# Altium PCB waffling60-MXHS-ANSI.PcbDoc (part 2 of 3)
Units mm, origin at the board's own origin, x right, y up, seen from the top; angles counter-clockwise.
Board outline 284.73 x 94.2 mm, 2 copper layers (Component Side, Bottom Layer), stack 1.571 mm thick; 191 components, 129 nets, 1572 pads, 212 vias.
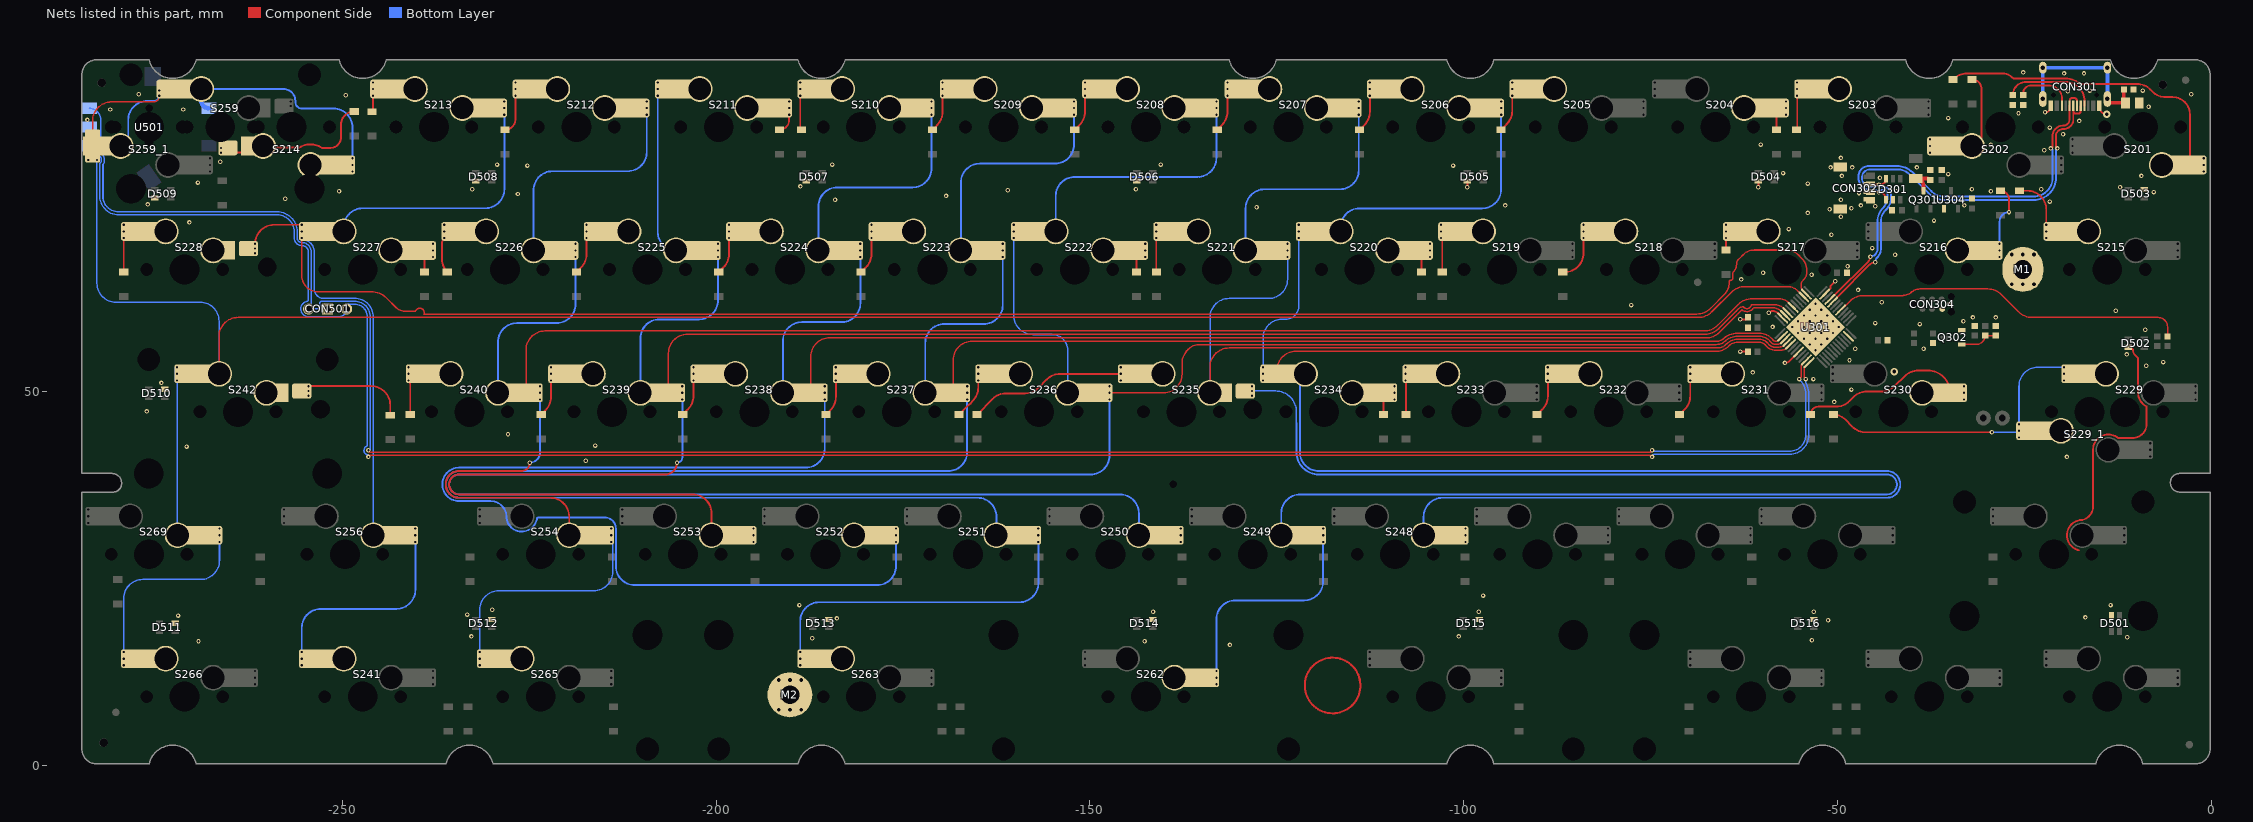
[diagram p2: the nets of this part, all layers, seen from the top]

## Via types
v1: diameter 0.6, hole 0.3, Component Side to Bottom Layer, tented both sides, 182 vias
v2: diameter 0.6, hole 0.3, Component Side to Bottom Layer, tented bottom, 25 vias
v3: diameter 1, hole 0.5, Component Side to Bottom Layer, tented both sides, 5 vias

## Nets (pads, with @x,y where several pads share a name; then routed paths per layer and width w, separated by ;. In a path a pad name is that pad's centre, name@x,y a point inside that pad or via, vN(x,y) a via of type N, cw(c..) or ccw(c..) an arc to the next point about the centre after c; other vN are vias at no path point) (continued)
col6: S206.2 S220.2 S234.2 S248.2 U301.5 | length 296.7
  Component Side w0.203: S234.2@-124.977,52.395 -124.977,52.865 cw(c-122.437,52.865) -122.437,55.405 -74.443,55.405 -74.428,55.391 -66.311,55.391 ccw(c-66.311,57.931) -64.939,55.794 ccw(c-66.311,57.931) -64.938,55.794 ccw(c-66.311,57.931) -64.515,56.135 cw(c-63.366,54.985) -63.541,56.601 cw(c-63.366,54.985) -63.366,56.611 -60.448,56.611 cw(c-60.448,55.505) -59.667,56.287 cw(c-59.951,56.002) -59.624,56.237 cw(c-59.951,56.002) -59.623,56.236 ccw(c-58.271,57.201) -59.185,55.814 ; -59.289,55.888 ccw(c-58.271,57.201) -58.243,55.54 ; -58.241,55.54 cw(c-58.236,55.136) -58.234,55.54 -57.669,55.54 ccw(c-57.669,56.907) -56.703,55.94 U301.5@-56.45,56.193
  Component Side w0.254: S220.2@-120.215,70.812 S220.2@-120.215,71.445
  Bottom Layer w0.203: S234.2@-126.837,53.284 -126.837,57.15 cw(c-124.297,57.15) -124.297,59.69 -123.825,59.69 ccw(c-123.825,61.44) -122.075,61.44 S220.2@-122.075,70.556
  Bottom Layer w0.254: S234.2@-121.227,52.395 ccw(c-121.227,51.702) -121.92,51.702 -121.92,41.933 ccw(c-119.38,41.933) -119.38,39.393 -43.379,39.393 cw(c-43.379,37.607) -43.379,35.821 -102.812,35.821 ccw(c-102.812,33.281) -105.352,33.281 S248.2@-105.352,30.805 ; S220.2@-116.465,71.445 -116.465,71.998 cw(c-113.925,71.998) -113.925,74.538 -97.52,74.538 ccw(c-97.52,77.078) -94.98,77.078 S206.2@-94.98,87.066
  Bottom Layer w0.6: S234.2@-126.837,51.506 S234.2@-126.837,52.395 S234.2@-126.837,53.284 ; S220.2@-122.075,70.556 S220.2@-122.075,71.445 S220.2@-122.075,72.334 ; S248.2@-99.742,29.916 S248.2@-99.742,30.805 S248.2@-99.742,31.694 ; S206.2@-94.98,87.066 S206.2@-94.98,87.955 S206.2@-94.98,88.844
col7: S207.2 S221.2 S235.2 S249.2 S262.1 U301.4 | length 362.1
  Component Side w0.203: S235.2@-133.927,49.855 -133.927,53.319 cw(c-131.387,53.319) -131.387,55.859 -66.154,55.859 ccw(c-66.154,57.775) -64.8,56.42 ; -64.798,56.422 cw(c-63.366,54.985) -63.366,57.014 -60.448,57.014 cw(c-60.448,55.505) -59.382,56.573 cw(c-59.951,56.002) -59.298,56.474 cw(c-59.624,56.237) -59.296,56.472 ccw(c-58.271,57.201) -58.247,55.943 cw(c-58.241,55.54) -58.245,55.943 cw(c-58.236,55.136) -58.234,55.943 -57.952,55.943 ccw(c-57.952,57.257) -57.022,56.328 U301.4@-56.803,56.546 ; -58.963,56.15 ccw(c-58.271,57.201) -58.25,55.943
  Bottom Layer w0.203: S235.2@-133.927,49.855 -133.927,59.944 cw(c-131.387,59.944) -131.387,62.484 -126.095,62.484 ccw(c-126.095,65.024) -123.555,65.024 S221.2@-123.555,68.016 ; S235.2@-128.317,50.11 -125.169,50.11 cw(c-125.169,47.315) -122.374,47.315 -122.374,45.847
  Bottom Layer w0.254: S262.1@-133.079,12.644 -133.079,19.558 cw(c-130.539,19.558) -130.539,22.098 -121.332,22.098 ccw(c-121.332,24.638) -118.792,24.638 S249.2@-118.792,29.916 ; S221.2@-129.165,68.905 -129.165,74.549 cw(c-126.625,74.549) -126.625,77.089 -116.57,77.089 ccw(c-116.57,79.629) -114.03,79.629 S207.2@-114.03,87.066 ; S249.2@-124.402,30.805 -124.402,33.735 cw(c-121.862,33.735) -121.862,36.275 -43.379,36.275 ccw(c-43.379,37.607) -43.379,38.939 -119.38,38.939 cw(c-119.38,41.933) -122.374,41.933 -122.374,45.847
  Bottom Layer w0.6: S262.1@-133.079,10.866 S262.1@-133.079,11.755 S262.1@-133.079,12.644 ; S235.2@-128.317,49.465 S235.2@-128.317,50.11 S235.2@-128.317,50.744 ; S221.2@-123.555,68.016 S221.2@-123.555,68.905 S221.2@-123.555,69.794 ; S249.2@-118.792,29.916 S249.2@-118.792,30.805 S249.2@-118.792,31.694 ; S207.2@-114.03,87.066 S207.2@-114.03,87.955 S207.2@-114.03,88.844
col8: S208.2 S222.2 S236.2 S250.2 U301.3 | length 363.2
  Component Side w0.203: S236.2@-149.227,49.855 -140.098,49.855 ccw(c-140.098,52.214) -138.43,50.546 -138.412,50.564 ccw(c-140.208,52.36) -137.668,52.36 -137.668,53.773 cw(c-135.053,53.773) -135.673,56.313 -66.188,56.313 ccw(c-66.188,58.05) -65.065,56.725 cw(c-63.366,54.985) -65.042,56.748 ccw(c-65.318,57.041) -65.04,56.75 cw(c-63.366,54.985) -64.976,56.808 ; -64.975,56.808 cw(c-63.366,54.985) -64.96,56.822 -64.942,56.84 ccw(c-65.17,57.173) -64.914,56.861 ; -64.887,56.883 ccw(c-63.366,54.985) -64.914,56.861 ; U301.3@-57.157,56.9 -57.441,56.616 cw(c-58.092,57.267) -57.774,56.403 cw(c-58.092,57.267) -58.092,56.346 -58.233,56.346 ccw(c-58.236,55.136) -58.249,56.346 ccw(c-58.241,55.54) -58.251,56.346 ccw(c-58.247,55.943) -58.254,56.346 cw(c-58.271,57.201) -58.968,56.706 ccw(c-59.296,56.472) -58.969,56.708 ccw(c-59.624,56.237) -58.972,56.711 ccw(c-59.951,56.002) -59.097,56.858 ccw(c-60.448,55.505) -60.448,57.417 -63.366,57.417 ccw(c-63.366,54.985) -64.914,56.861
  Component Side w0.254: S222.2@-159.004,72.134 ccw(c-158.315,72.134) S222.2@-158.315,71.445 ; S250.2@-140.607,31.71 S250.2@-139.827,30.93 ; S250.2@-139.827,30.93 ccw(c-139.702,30.93) S250.2@-139.702,30.805 S250.2@-139.827,30.93
  Bottom Layer w0.203: S222.2@-160.175,70.556 -160.175,60.198 ccw(c-157.635,60.198) -157.635,57.658 -155.067,57.658 cw(c-155.067,55.568) -152.977,55.568 S236.2@-152.977,49.855
  Bottom Layer w0.254: S222.2@-154.565,71.445 -154.565,76.2 cw(c-152.025,76.2) -152.025,78.74 -135.62,78.74 ccw(c-135.62,81.28) -133.08,81.28 S208.2@-133.08,87.066 ; S236.2@-147.367,48.966 -147.367,41.479 cw(c-149.907,41.479) -149.907,38.939 -160.655,38.939 -234.379,38.939 ccw(c-234.379,37.607) -234.379,36.275 -145.992,36.275 cw(c-145.992,33.735) -143.452,33.735 S250.2@-143.452,30.805
  Bottom Layer w0.6: S222.2@-160.175,70.556 S222.2@-160.175,71.445 S222.2@-160.175,72.334 ; S236.2@-147.367,48.966 S236.2@-147.367,49.855 S236.2@-147.367,50.744 ; S250.2@-137.842,29.916 S250.2@-137.842,30.805 S250.2@-137.842,31.694 ; S208.2@-133.08,87.066 S208.2@-133.08,87.955 S208.2@-133.08,88.844
col9: S209.2 S223.2 S237.2 S251.2 S263.2 U301.2 | length 386.9
  Component Side w0.203: S237.2@-168.277,49.855 -168.277,54.227 cw(c-165.736,54.227) -165.736,56.769 -66.066,56.769 ccw(c-66.066,57.934) -65.318,57.041 cw(c-63.366,54.985) -65.243,57.11 -65.18,57.173 -65.17,57.173 cw(c-63.366,54.985) -63.366,57.82 -60.448,57.82 cw(c-60.448,55.505) -58.812,57.143 cw(c-59.951,56.002) -58.645,56.948 cw(c-59.624,56.237) -58.642,56.943 cw(c-58.968,56.706) -58.64,56.94 ccw(c-58.271,57.201) -57.952,56.881 -57.579,57.254 U301.2@-57.511,57.254 ; -58.638,56.938 ccw(c-58.271,57.201) -58.535,56.834
  Component Side w0.254: S223.2@-163.703,69.093 -163.576,68.966 ccw(c-163.515,68.966) S223.2@-163.515,68.905 ; S251.2@-158.877,30.68 S251.2@-158.755,30.803 ; S251.2@-158.755,30.495 S251.2@-158.755,30.803 ; S251.2@-158.752,30.805 S251.2@-158.755,30.803
  Bottom Layer w0.254: S263.2@-188.749,15.184 -188.749,19.304 cw(c-186.209,19.304) -186.209,21.844 -159.432,21.844 ccw(c-159.432,24.384) -156.892,24.384 S251.2@-156.892,29.916 ; S237.2@-172.027,49.855 -172.027,56.515 cw(c-169.487,56.515) -169.487,59.055 -164.195,59.055 ccw(c-164.195,61.595) -161.655,61.595 S223.2@-161.655,68.016 ; S223.2@-167.265,68.905 -167.265,77.978 cw(c-164.725,77.978) -164.725,80.518 -154.67,80.518 ccw(c-154.67,83.058) -152.13,83.058 S209.2@-152.13,87.066 ; S237.2@-166.417,48.966 -166.417,41.933 cw(c-168.957,41.933) -168.957,39.393 -234.379,39.393 ccw(c-234.379,37.607) -234.379,35.821 -165.042,35.821 cw(c-165.042,33.281) -162.502,33.281 S251.2@-162.502,30.805
  Bottom Layer w0.6: S263.2@-188.749,13.406 S263.2@-188.749,14.295 S263.2@-188.749,15.184 ; S237.2@-166.417,48.966 S237.2@-166.417,49.855 S237.2@-166.417,50.744 ; S223.2@-161.655,68.016 S223.2@-161.655,68.905 S223.2@-161.655,69.794 ; S251.2@-156.892,29.916 S251.2@-156.892,30.805 S251.2@-156.892,31.694 ; S209.2@-152.13,87.066 S209.2@-152.13,87.955 S209.2@-152.13,88.844
col10: S210.2 S224.2 S238.2 S252.2 U301.46 | length 340.7
  Component Side w0.203: S238.2@-187.327,49.855 -187.327,54.681 cw(c-184.787,54.681) -184.787,57.221 -184.762,57.196 -67.612,57.196 ccw(c-67.612,59.736) -65.816,57.94 -63.583,60.174 -63.306,60.45 ccw(c-63.538,60.78) -63.29,60.463 ccw(c-63.538,60.78) -63.276,60.474 ccw(c-63.538,60.78) -63.208,60.548 -62.918,60.838 ; -62.918,60.839 cw(c-62.595,60.518) -62.899,60.856 cw(c-62.595,60.518) -62.744,60.948 ccw(c-62.103,61.722) -61.677,60.812 ccw(c-61.847,61.178) -61.674,60.813 ccw(c-62.103,61.722) -61.226,61.232 -58.603,61.232 cw(c-58.603,59.812) -57.599,60.816 -57.183,60.4 U301.46@-57.157,60.4
  Bottom Layer w0.254: S238.2@-191.077,49.855 -191.077,56.769 cw(c-188.537,56.769) -188.537,59.309 -183.245,59.309 ccw(c-183.245,61.849) -182.565,59.402 ccw(c-183.245,61.849) -180.705,61.849 S224.2@-180.705,68.016 ; S224.2@-186.315,68.905 -186.315,74.803 cw(c-183.775,74.803) -183.775,77.343 -173.72,77.343 ccw(c-173.72,79.883) -171.18,79.883 S210.2@-171.18,87.066 ; S238.2@-185.467,48.966 -185.467,42.387 cw(c-188.007,42.387) -188.007,39.847 -234.379,39.847 ccw(c-234.379,37.607) -234.379,35.367 -230.145,35.367 cw(c-230.145,33.275) -228.054,33.349 cw(c-228.308,33.341) -228.054,33.343 ccw(c-226.002,33.345) -223.982,32.986 cw(c-223.732,32.94) -223.733,33.194 -214.915,33.194 cw(c-214.915,31.694) -213.415,31.694 -213.415,26.67 ccw(c-210.875,26.67) -210.875,24.13 -178.482,24.13 ccw(c-178.482,26.67) -175.942,26.67 S252.2@-175.942,29.916
  Bottom Layer w0.6: S238.2@-185.467,48.966 S238.2@-185.467,49.855 S238.2@-185.467,50.744 ; S224.2@-180.705,68.016 S224.2@-180.705,68.905 S224.2@-180.705,69.794 ; S252.2@-175.942,29.916 S252.2@-175.942,30.805 S252.2@-175.942,31.694 ; S210.2@-171.18,87.066 S210.2@-171.18,87.955 S210.2@-171.18,88.844
col11: S211.2 S225.2 S239.2 S253.2 U301.45 | length 295.1
  Component Side w0.203: S239.2@-206.377,49.855 -206.377,55.135 cw(c-203.812,55.135) -203.812,57.701 -67.678,57.701 ccw(c-67.678,60.241) -65.882,58.445 -64.132,60.195 -63.863,60.463 -63.202,61.125 cw(c-62.595,60.518) -62.595,61.376 ccw(c-62.103,61.722) -61.847,61.178 ccw(c-62.103,61.722) -61.511,61.617 cw(c-61.317,60.936) -61.317,61.644 -58.324,61.644 cw(c-58.324,60.124) -57.249,61.199 U301.45@-56.803,60.754
  Component Side w0.254: v1(-205.232,40.513) cw(c-206.806,40.513) -206.806,38.939 -234.379,38.939 ccw(c-234.379,37.607) -234.379,36.275 -203.142,36.275 cw(c-203.142,33.735) -200.602,33.735 S253.2@-200.602,30.805
  Bottom Layer w0.254: S239.2@-210.127,49.855 -210.127,57.15 cw(c-207.587,57.15) -207.587,59.69 -202.295,59.69 ccw(c-202.295,62.23) -199.755,62.23 S225.2@-199.755,68.016 ; S211.2@-207.8,89.606 -207.8,71.34 ccw(c-205.365,71.34) S225.2@-205.365,68.905 ; v1(-205.232,40.513) ccw(c-205.232,41.228) -204.517,41.228 S239.2@-204.517,48.966
  Bottom Layer w0.6: S211.2@-207.8,89.606 S211.2@-207.8,90.495 S211.2@-207.8,91.384 ; S239.2@-204.517,48.966 S239.2@-204.517,49.855 S239.2@-204.517,50.744 ; S225.2@-199.755,68.016 S225.2@-199.755,68.905 S225.2@-199.755,69.794 ; S253.2@-194.992,29.916 S253.2@-194.992,30.805 S253.2@-194.992,31.694
col12: S212.2 S226.2 S240.2 S254.2 S265.2 U301.43 | length 319.3
  Component Side w0.203: S240.2@-225.427,49.855 -225.427,55.589 cw(c-222.887,55.589) -222.887,58.129 -67.855,58.129 ccw(c-67.855,60.669) -66.059,58.873 -63.226,61.707 cw(c-61.43,59.911) -61.43,62.451 -57.786,62.451 cw(c-57.786,60.761) -56.591,61.956 U301.43@-56.096,61.461
  Component Side w0.254: v1(-224.917,40.513) cw(c-226.037,40.513) -226.037,39.393 -234.379,39.393 ccw(c-234.379,37.607) -234.379,35.821 -222.192,35.821 cw(c-222.192,33.281) -219.652,33.281 S254.2@-219.652,30.805 ; S226.2@-220.853,69.359 ccw(c-220.211,69.359) S226.2@-220.665,68.905
  Bottom Layer w0.203: S265.2@-231.612,15.184 -231.612,20.828 cw(c-229.072,20.828) -229.072,23.368 -216.384,23.368 ccw(c-216.384,25.908) -213.844,25.908 -213.844,29.718 ccw(c-214.042,29.718) S254.2@-214.042,29.916
  Bottom Layer w0.254: S240.2@-229.177,49.855 -229.177,56.642 cw(c-226.637,56.642) -226.637,59.182 -221.345,59.182 ccw(c-221.345,61.722) -220.853,59.23 ccw(c-221.345,61.722) -218.805,61.722 S226.2@-218.805,68.016 ; v1(-224.917,40.513) ccw(c-224.917,41.863) -223.567,41.863 S240.2@-223.567,48.966 ; S226.2@-224.415,68.905 -224.415,76.962 cw(c-221.875,76.962) -221.875,79.502 -211.82,79.502 ccw(c-211.82,82.042) -209.28,82.042 S212.2@-209.28,87.066
  Bottom Layer w0.6: S265.2@-231.612,13.406 S265.2@-231.612,14.295 S265.2@-231.612,15.184 ; S240.2@-223.567,48.966 S240.2@-223.567,49.855 S240.2@-223.567,50.744 ; S226.2@-218.805,68.016 S226.2@-218.805,68.905 S226.2@-218.805,69.794 ; S254.2@-214.042,29.916 S254.2@-214.042,30.805 S254.2@-214.042,31.694 ; S212.2@-209.28,87.066 S212.2@-209.28,87.955 S212.2@-209.28,88.844
col13: S213.2 S227.2 S228.2 S241.1 S256.2 U301.38 | length 346.5
  Component Side w0.203: S227.2@-255.597,71.443 -253.565,71.443 S227.2@-253.565,71.445 ; S227.2@-255.425,70.556 -255.425,65.532 ccw(c-253.288,65.532) -253.288,63.395 -246.162,63.395 cw(c-246.162,60.452) -244.081,62.534 -242.795,61.247 ccw(c-241.602,62.436) -241.602,60.752 -240.225,60.752 cw(c-239.649,60.579) -239.075,60.399 -238.76,60.399 -68.796,60.399 ccw(c-68.796,62.939) -67,61.143 -65.024,63.119 cw(c-64.839,63.035) -64.997,63.163 ccw(c-66.813,64.646) -64.468,64.646 -64.468,64.717 cw(c-64.265,64.716) -64.275,64.919 ccw(c-64.287,65.22) -63.985,65.22 -63.985,65.907 ; -63.933,66.017 ccw(c-64.981,67.063) -63.929,66.021 ccw(c-64.981,67.063) -63.5,67.063 cw(c-62.598,67.063) -63.235,67.702 -63.052,67.885 -62.596,68.341 cw(c-61.101,66.85) -61.101,68.961 -56.79,68.961 cw(c-56.79,66.781) -55.249,68.322 -54.728,67.802 cw(c-56.24,66.29) -54.102,66.29 -54.102,65.944 cw(c-55.403,65.944) -54.483,65.024 -54.562,64.945 ccw(c-53.835,64.217) -54.864,64.217 ccw(c-53.771,64.217) -54.835,63.966 cw(c-55.033,63.92) -54.831,63.942 ccw(c-54.382,63.989) -54.746,63.722 cw(c-54.911,63.603) -54.745,63.72 -54.741,63.713 -54.736,63.702 cw(c-54.92,63.616) -54.72,63.651 -54.722,63.648 -54.723,63.647 -54.735,63.635 U301.38@-54.596,63.522
  Component Side w0.254: S228.2@-261.667,69.794 cw(c-259.127,69.794) -259.127,72.334 S227.2@-255.425,72.334
  Bottom Layer w0.203: S227.2@-255.425,70.556 -255.425,70.368 -255.415,70.358 cw(c-255.396,69.955) -255.394,70.358 cw(c-255.396,68.708) -253.746,68.708 -253.746,63.754 ccw(c-252.476,63.754) -252.824,62.533 ccw(c-252.77,62.728) -252.759,62.526 cw(c-252.716,61.822) -252.716,62.527 -248.385,62.527 cw(c-248.385,59.987) -245.845,59.987 S256.2@-245.845,30.805
  Bottom Layer w0.254: S227.2@-255.597,71.445 S227.2@-255.425,71.617 ; S241.1@-255.424,15.184 -255.424,18.415 cw(c-252.884,18.415) -252.884,20.955 -242.775,20.955 ccw(c-242.775,23.495) -240.235,23.495 S256.2@-240.235,29.916 ; S227.2@-249.815,71.445 -249.815,72.009 cw(c-247.275,72.009) -247.275,74.549 -230.87,74.549 ccw(c-230.87,77.089) -228.33,77.089 S213.2@-228.33,87.066
  Bottom Layer w0.6: S228.2@-261.667,68.515 S228.2@-261.667,69.16 S228.2@-261.667,69.794 ; S241.1@-255.424,13.406 S241.1@-255.424,14.295 S241.1@-255.424,15.184 ; S227.2@-255.425,70.556 S227.2@-255.425,71.445 -255.425,71.617 S227.2@-255.425,72.334 ; S256.2@-240.235,29.916 S256.2@-240.235,30.805 S256.2@-240.235,31.694 ; S213.2@-228.33,87.066 S213.2@-228.33,87.955 S213.2@-228.33,88.844
col14: S214.1 S242.1 S259.1 S259_1.2 S266.2 S269.2 U301.39 U501.2 | length 373.7
  Component Side w0.203: S259_1.2@-283.41,81.915 S259_1.2@-283.41,82.875 S259_1.2@-283.41,83.835 -283.41,86.233 cw(c-280.87,86.233) -280.87,88.773 -275.308,88.773 ccw(c-275.308,89.606) S259.1@-274.475,89.606 ; S242.1@-266.49,52.395 -266.49,57.405 cw(c-263.95,57.405) -263.95,59.945 -68.608,59.945 ccw(c-68.608,62.485) -66.812,60.689 -64.181,63.319 cw(c-62.385,61.523) -62.385,64.063 -56.711,64.063 cw(c-56.711,62.035) -55.276,63.469 U301.39@-54.682,62.875
  Bottom Layer w0.203: S259_1.2@-282.821,81.015 -282.821,64.516 ccw(c-280.281,64.516) -280.281,61.976 -269.03,61.976 cw(c-269.03,59.436) -266.49,59.436 S242.1@-266.49,52.395 ; S266.2@-279.237,15.184 -279.237,22.352 cw(c-276.697,22.352) -276.697,24.892 -268.97,24.892 ccw(c-268.97,27.432) -266.43,27.432 S269.2@-266.43,29.916 ; S242.1@-272.1,51.506 -272.1,30.865 ccw(c-272.04,30.865) S269.2@-272.04,30.805
  Bottom Layer w0.254: S259_1.2@-279.66,82.875 ccw(c-279.66,83.897) -278.638,83.897 -278.638,86.36 cw(c-276.098,86.36) -276.098,88.9 -275.181,88.9 ccw(c-275.181,89.606) S259.1@-274.475,89.606 ; S259.1@-268.865,90.495 -257.881,90.495 cw(c-257.881,88.9) -256.287,88.948 cw(c-256.905,88.844) -256.278,88.844 -256.278,88.773 ccw(c-255.389,88.773) -255.389,87.884 -251.19,87.884 cw(c-251.19,85.344) -248.65,85.344 S214.1@-248.65,81.224
  Bottom Layer w0.6: S259_1.2@-283.999,81.015 S259_1.2@-282.821,81.015 ; S266.2@-279.237,13.406 S266.2@-279.237,14.295 S266.2@-279.237,15.184 ; S259.1@-274.475,89.606 v1(-274.475,90.297) ; S242.1@-272.127,51.45 S242.1@-272.127,53.228 ; S259.1@-268.865,90.495 -268.865,88.93 ccw(c-267.85,88.93) U501.2@-267.85,87.915 ; S269.2@-266.43,29.916 S269.2@-266.43,30.805 S269.2@-266.43,31.694 ; S214.1@-248.65,79.446 S214.1@-248.65,80.335 S214.1@-248.65,81.224
D_N: CON301.A7 CON301.B7 CON302.2 D301.6 U301.32 | length 67.1
  Component Side w0.254: U301.32@-50.033,62.64 -45.649,67.024 cw(c-44.958,66.332) v1(-44.958,67.31) ; CON302.2@-45.625,77.75 -44.209,77.75 ccw(c-44.209,78.464) D301.6@-43.495,78.464 ; v1(-20.574,82.55) cw(c-20.574,82.766) -20.79,82.766 -20.79,84.163 cw(c-19.812,84.163) -19.812,85.141 -19.734,85.141 ccw(c-19.734,86.425) -18.45,86.425 CON301.A7@-18.45,88.25 ; CON301.A7@-18.427,87.525 ccw(c-18.1,87.525) -18.1,87.198 -17.8,87.198 ccw(c-17.8,87.525) -17.473,87.525 -17.473,88.144 cw(c-17.219,88.144) CON301.B7@-17.45,88.25
  Bottom Layer w0.254: v1(-44.958,67.31) ccw(c-45.054,67.406) -44.918,67.406 cw(c-44.149,67.406) -44.876,67.658 cw(c-44.149,67.406) -44.693,67.951 -44.628,68.015 ccw(c-45.672,69.059) -44.196,69.059 -44.196,72.747 cw(c-41.992,72.747) -43.551,74.305 -43.433,74.423 ccw(c-44.842,75.831) -42.926,75.286 ccw(c-44.766,75.787) -42.859,75.787 -42.859,76.012 -42.85,76.021 -42.85,76.352 ccw(c-43.942,76.352) -43.942,77.445 cw(c-43.942,77.894) v1@-44.26,77.576 ; v1(-44.45,77.724) cw(c-45.125,78.399) -44.639,77.577 cw(c-45.125,78.399) -45.125,77.445 -45.568,77.445 cw(c-45.568,78.613) -46.736,78.613 cw(c-45.593,78.613) -45.593,79.756 -42.073,79.756 cw(c-42.073,77.216) -40.277,79.012 -37.796,76.531 ccw(c-35.678,78.649) -37.793,76.528 ccw(c-35.678,78.649) -35.682,75.654 ccw(c-35.678,78.649) -35.678,75.654 -23.749,75.654 ccw(c-23.749,78.651) -20.752,78.651 v1@-20.752,82.423
D_P: CON301.A6 CON301.B6 CON302.3 D301.1 U301.33 | length 68.3
  Component Side w0.254: U301.33@-50.828,62.522 -50.816,62.521 -50.386,62.951 ccw(c-50.386,62.994) -50.356,62.964 -45.837,67.482 ccw(c-46.427,68.072) v1(-45.593,68.072) ; CON302.3@-45.625,76.75 -44.531,76.75 cw(c-44.531,75.714) D301.1@-43.495,75.714 ; v1(-21.463,82.55) ccw(c-21.463,82.766) -21.247,82.766 -21.247,84.163 cw(c-19.812,84.163) -19.812,85.598 ccw(c-19.812,86.46) -18.95,86.46 CON301.B6@-18.95,88.25 ccw(c-19.181,88.356) -18.927,88.354 ccw(c-19.181,88.356) -18.927,88.357 -18.927,88.975 cw(c-18.6,88.975) -18.6,89.302 -18.3,89.302 cw(c-18.3,88.975) -17.973,88.975 -17.973,88.356 ccw(c-17.719,88.356) CON301.A6@-17.95,88.25
  Bottom Layer w0.254: v1(-45.593,68.072) cw(c-45.497,67.976) -45.497,68.112 ccw(c-45.497,68.881) -45.288,68.141 ccw(c-45.497,68.881) -44.952,68.337 ccw(c-45.675,69.06) -44.923,68.368 ccw(c-45.675,69.06) -44.653,69.06 -44.653,72.748 cw(c-41.995,72.748) -43.875,74.627 ; v1(-44.45,76.708) ccw(c-45.125,76.033) -44.639,76.855 ccw(c-45.125,76.033) -45.125,76.987 -45.582,76.987 cw(c-45.582,78.599) -47.193,78.599 -47.193,78.802 cw(c-45.782,78.802) -45.782,80.213 -42.072,80.213 cw(c-42.072,77.219) -39.955,79.336 -37.473,76.855 ccw(c-35.677,78.651) -35.677,76.111 -23.749,76.111 ccw(c-23.749,78.651) -21.209,78.651 v1@-21.209,82.423 ; v1@-44.26,76.856 cw(c-43.942,76.538) -43.942,76.987 cw(c-43.942,76.371) -43.325,76.371 -43.325,76.074 -43.316,76.065 -43.316,75.977 cw(c-45.223,75.977) -43.325,75.791 cw(c-45.223,75.977) -43.875,74.628
ENC_A: CON501.3 U301.12 U501.A | length 284
  Component Side w0.203: v1(-246.507,41.275) cw(c-246.275,41.275) -246.275,41.507 -75.057,41.507 ; -75.056,41.507 ccw(c-74.803,41.529) v1(-74.803,41.275) ; v1(-54.229,51.689) -54.461,51.921 -54.461,53.232 U301.12@-53.975,53.718
  Bottom Layer w0.203: U501.A@-283.85,82.915 -283.85,82.047 ccw(c-283.42,82.047) -283.42,81.617 -282.821,81.617 cw(c-282.821,81.015) -282.22,80.997 cw(c-282.821,81.015) -282.375,80.612 cw(c-282.821,81.015) -282.418,80.569 -282.418,75.809 ccw(c-279.908,76.2) -279.908,73.66 -258.716,73.66 cw(c-258.716,71.374) -256.43,71.374 -256.43,70.556 ccw(c-255.425,70.556) -256.384,70.256 ccw(c-255.999,70.376) -256.383,70.253 ccw(c-255.425,70.556) -256.182,69.895 ccw(c-255.878,70.16) -256.18,69.892 ccw(c-255.425,70.556) -255.999,69.731 ccw(c-255.425,70.556) -255.64,69.574 ccw(c-255.425,70.556) -255.388,69.552 cw(c-255.396,68.708) -255.231,69.536 ; -255.231,69.536 cw(c-255.396,68.708) -255.083,69.492 cw(c-255.396,68.708) -255.019,69.463 cw(c-255.396,68.708) -254.799,69.305 cw(c-255.396,68.708) -254.73,69.226 cw(c-255.396,68.708) -254.658,69.118 cw(c-255.396,68.708) -254.588,68.95 cw(c-255.396,68.708) -254.552,68.708 -254.552,62.301 cw(c-254.756,62.302) -254.714,62.103 ccw(c-254.506,61.072) -254.508,60.02 -250.478,60.02 ccw(c-250.478,61.072) CON501.3@-249.426,61.072 -249.426,61.517 cw(c-249.223,61.517) -249.223,61.72 -248.385,61.72 cw(c-248.385,59.987) -246.651,59.987 -246.651,42.748 ccw(c-246.507,42.164) -246.761,41.619 ccw(c-246.507,42.164) -246.507,41.562 v1(-246.507,41.275) ; v1(-74.803,41.275) cw(c-74.444,41.275) -74.604,41.596 ccw(c-74.803,42.164) -74.552,41.617 cw(c-74.444,41.275) -74.444,41.634 -56.388,41.634 ccw(c-56.388,44.174) -53.848,44.174 -53.848,49.77 ccw(c-56.791,49.77) -54.229,51.218 v1(-54.229,51.689)
ENC_B: CON501.1 U301.11 U501.B | length 286.6
  Component Side w0.203: v1(-246.507,42.164) ccw(c-246.253,42.164) -246.253,41.91 -75.057,41.91 ccw(c-75.057,42.164) v1(-74.803,42.164) ; v1(-55.118,51.689) -54.864,51.943 -54.864,53.536 U301.11@-54.329,54.072
  Bottom Layer w0.203: U501.B@-283.85,87.915 cw(c-283.85,86.386) -282.321,86.386 -282.321,81.887 cw(c-282.821,81.015) -281.816,80.992 ; -282.121,81.736 cw(c-282.821,81.015) -282.047,81.656 cw(c-282.821,81.015) -281.816,80.992 ; v1(-246.507,42.164) ccw(c-246.507,42.545) -246.248,42.265 -246.248,59.987 ccw(c-248.385,59.987) -248.385,62.124 -252.716,62.124 ccw(c-252.716,61.822) -253.018,61.822 -253.018,61.275 cw(c-253.221,61.275) -253.221,61.072 CON501.1@-254.506,61.072 ccw(c-254.506,61.429) -254.149,61.429 -254.149,68.708 ccw(c-255.396,68.708) -255.396,69.955 cw(c-255.425,70.556) -255.877,70.16 cw(c-255.425,70.556) -255.999,70.376 cw(c-255.425,70.556) -256.027,70.556 -256.027,71.374 ccw(c-258.716,71.374) -258.716,74.063 -279.908,74.063 cw(c-279.908,76.2) -282.015,75.842 -282.015,75.869 ccw(c-282.321,75.871) -282.015,75.871 -282.015,80.206 -282.015,80.416 ccw(c-282.821,81.015) -281.816,80.992 ; v1(-74.803,42.164) -74.676,42.037 -56.388,42.037 ccw(c-56.388,44.174) -55.296,42.337 ccw(c-56.388,44.174) -55.168,42.419 ccw(c-56.388,44.174) -54.812,42.73 ccw(c-56.388,44.174) -54.567,43.056 ccw(c-56.388,44.174) -54.367,43.481 ccw(c-56.388,44.174) -54.293,43.752 ccw(c-56.388,44.174) -54.251,44.174 -54.251,49.77 ccw(c-56.791,49.77) -54.995,51.566 v1(-55.118,51.689)
GND: C301.1 C302.1 C303.1 C304.1 C305.1 C306.1 C307.1 C308.1 C310.2 C311.1 CON301.A1B12 CON301.B1A12 CON302.4 CON302.5 CON304.5 CON501.2 D301.2 D501.3 D502.3 D503.3 D504.3 D505.3 D506.3 D507.3 D508.3 D509.3 D510.3 D511.3 D512.3 D513.3 D514.3 D515.3 D516.3 L301.1 M1.1 M2.1 Q302.2 R301.2 R302.2 R304.2 R305.2 R307.2 U301.8 U301.23 U301.35 U301.47 U304.1 U501.C | length 91.9
  Component Side w0.203: U301.47@-56.114,58.568 U301.47@-56.043,58.568
  Component Side w0.254: v1@-99.504,77.351 D505.3@-99.504,78.2 ; v1(-62.992,55.372) C302.1@-61.991,55.372 ; v1(-62.992,59.69) -62.245,59.69 ccw(c-62.245,59.944) C304.1@-61.991,59.944 ; v1(-60.579,77.343) -60.571,77.351 D504.3@-60.571,78.2 ; v1(-59.182,60.579) cw(c-58.641,60.038) -58.915,60.752 cw(c-58.641,60.038) -58.641,60.803 cw(c-58.641,59.9) -58.004,60.54 cw(c-58.641,59.9) -58.002,60.538 U301.47@-57.511,60.047 ; v1(-57.023,53.848) ccw(c-57.023,54.692) -56.426,54.095 U301.8@-55.389,55.132 ; U301.47@-56.164,58.7 ccw(c-56.043,58.82) v2(-56.043,58.65) ; U301.35@-51.535,63.229 -51.535,63.241 -50.917,63.859 -50.917,64.176 -50.323,64.77 v1(-50.292,64.77) ; v1(-22.225,87.376) ccw(c-22.225,88.151) -21.45,88.151 CON301.B1A12@-21.45,88.25 ; -17.653,28.794 cw(c-17.653,29.429) -17.998,28.896 cw(c-17.246,30.805) -18.271,29.027 cw(c-17.246,30.805) -18.619,29.28 cw(c-17.246,30.805) -18.842,32.095 cw(c-17.246,30.805) -18.668,32.285 cw(c-17.246,30.805) -17.942,32.735 cw(c-17.246,30.805) -17.267,32.857 ; -15.796,42.037 cw(c-13.754,42.235) -15.806,42.235 cw(c-13.754,42.235) -15.805,42.289 cw(c-13.754,42.235) -12.441,43.812 -10.539,43.812 ccw(c-10.539,45.715) -8.636,45.715 -8.636,48.006 -8.631,48.011 -8.631,48.016 cw(c-7.721,49.855) -9.756,49.591 cw(c-7.721,49.855) -9.771,49.774 cw(c-7.721,49.855) -9.771,49.936 -9.771,54.467 -10.16,54.856 cw(c-9.441,55.6) -10.287,55.004 cw(c-9.441,55.6) -10.476,55.6 -10.476,55.677 ccw(c-11.071,55.166) D502.3@-11.071,55.95 ; -15.795,42.019 -15.795,34.663 cw(c-17.639,34.663) -17.164,32.881 cw(c-17.639,34.663) -17.267,32.857 ; CON301.A1B12@-14.95,88.25 -14.95,88.102 ccw(c-13.97,88.102) v3(-13.97,87.122) ; -17.267,32.857 ccw(c-17.246,30.805) -17.639,32.819 cw(c-17.246,30.805) -17.519,32.839 cw(c-17.246,30.805) -17.267,32.857
  Component Side w0.279: -113.815,10.842 ccw(c-117.533,10.705) -113.815,10.829
  Bottom Layer w0.203: v2@-56.043,58.568 v2@-54.488,60.123 ; v2@-51.376,57.012 v2@-54.488,60.123 ; v2@-50.599,57.79 v2@-53.71,60.901 ; v2@-49.821,58.568 -52.932,61.679 v2@-53.71,60.901 ; v2@-54.488,60.123 v2@-53.71,60.901
  other v1: -131.262,16.129 -269.24,16.637 -142.692,16.637 -53.411,16.764 -187.142,17.018 -11.247,17.145 -232.735,17.272 -100.655,17.272 -51.252,19.431 -183.84,19.685 -16.835,19.812 -271.978,20.066 -233.299,20.193 -141.549,20.574 -97.988,20.574 -53.157,20.574 -229.941,20.828 -188.849,21.463 -13.462,21.463 -97.409,22.733 -217.424,40.767 -19.304,41.275 -270.835,42.672 -216.154,42.799 -227.838,44.323 -276.169,47.371 -50.419,48.641 -48.133,50.292 -274.193,51.181 -53.213,51.689 -61.341,52.578 -8.707,53.467 -6.421,53.975 -48.387,54.229 -11.303,54.991 -47.625,55.753 -38.481,55.753 -8.834,58.293 -58.674,58.674 -38.989,59.055 -44.958,59.182 -33.147,59.436 -31.877,59.944 -28.829,59.944 -12.771,60.833 -77.597,61.595 -35.087,61.717 -44.069,61.976 -47.244,63.627 -62.865,65.024 -53.467,65.659 -59.944,65.913 -48.641,66.802 -42.291,68.326 -45.339,69.215 -50.8,70.993 -56.515,71.755 -270.454,72.644 -37.084,72.898 -49.53,73.406 -53.975,73.914 -51.054,74.422 -48.133,74.549 -127.706,74.676 -44.958,74.803 -94.432,74.93 -46.863,74.93 -33.02,74.93 -276.042,75.057 -21.59,75.438 -184.094,75.692 -49.53,75.692 -257.627,75.819 -169.235,76.2 -226.512,76.454 -47.117,76.581 -7.691,76.708 -250.444,76.835 -42.164,76.835 -29.464,76.835 -160.98,76.962 -232.608,77.089 -143.835,77.089 -32.004,77.089 -22.733,77.089 -99.512,77.343 -12.192,77.343 -188.722,77.47 -53.975,77.851 -269.311,77.978 -44.323,78.613 -49.403,78.867 -9.342,78.867 -35.179,79.121 -57.277,79.248 -50.927,80.01 -48.006,80.01 -39.37,80.01 -225.242,80.264 -101.417,80.264 -229.306,80.391 -184.475,80.391 -140.533,80.391 -266.319,80.772 -49.53,81.28 -22.352,82.296 -60.269,83.058 -29.464,83.058 -19.812,84.455 -21.59,85.344 -17.653,86.233 -284.099,86.36 -35.179,86.614 -25.781,87.249 -281.051,87.757 -271.272,87.757 -8.382,88.138 -249.555,89.662 -277.241,89.789 -2.667,89.789 -19.177,90.17 -16.256,90.297 -9.144,90.297 -19.685,92.583 -17.018,92.583 -25.146,92.71
  other v2: -52.932,55.539 -53.71,56.317 -52.154,56.317 -54.488,57.094 -52.932,57.094 -51.376,57.094 -55.265,57.872 -53.71,57.872 -52.154,57.872 -50.599,57.872 -54.488,58.65 -52.932,58.65 -51.376,58.65 -49.821,58.65 -55.265,59.428 -53.71,59.428 -52.154,59.428 -50.599,59.428 -54.488,60.206 -52.932,60.206 -51.376,60.206 -53.71,60.983 -52.154,60.983 -52.932,61.761
  other v3: -42.418,52.705
LED: R308.2 U301.29 | length 48
  Component Side w0.203: U301.29@-49.414,61.107 -49.383,61.107 ccw(c-49.383,61.976) -49.345,61.108 -48.332,62.121 cw(c-46.536,60.325) -46.536,62.865 -41.411,62.865 ccw(c-41.411,65.033) -40.183,63.246 cw(c-38.957,62.02) -39.91,63.469 cw(c-38.957,62.02) -38.957,63.754 -29.881,63.754 cw(c-29.881,61.214) -28.085,63.01 -25.763,60.688 ccw(c-23.967,62.484) -23.967,59.944 -7.112,59.944 cw(c-7.112,58.674) -5.842,58.674 R308.2@-5.842,57.165
NetC306_2: C306.2 F301.1 Q301.3 | length 4.2
  Component Side w0.5: Q301.3@-38.481,76.892 -38.481,77.517 ccw(c-39.497,77.517) F301.1@-39.497,78.533 -38.048,78.533 cw(c-38.048,77.888) C306.2@-37.592,78.344
NetC309_2: C309.2 Q302.1 R305.1 | length 5.2
  Component Side w0.203: Q302.1@-33.344,56.327 -31.44,56.327 ccw(c-31.44,57.516) -30.251,57.516 C309.2@-30.226,57.516 R305.1@-28.829,57.516
NetC311_2: C311.2 CON301.S1 L301.2 | length 21.7
  Component Side w0.5: CON301.S1@-13.88,89.165 -13.88,88.646 L301.2@-11.699,88.646 ; C311.2@-11.699,90.424 L301.2@-11.699,88.646 ; L301.2@-11.461,88.646 L301.2@-11.699,88.646
  Bottom Layer w0.5: CON301.S1@-22.52,89.165 CON301.S1@-22.52,93.345 CON301.S1@-13.88,93.345 CON301.S1@-13.88,89.165
NetCON301_A5: CON301.A5 R301.1 | length 12.7
  Component Side w0.254: R301.1@-26.543,89.677 cw(c-24.78,89.677) -24.78,91.44 -19.49,91.44 cw(c-19.49,88.9) -16.95,88.9 CON301.A5@-16.95,88.25
NetCON301_B5: CON301.B5 R302.1 | length 8.2
  Component Side w0.254: R302.1@-25.146,89.931 cw(c-24.091,89.931) -24.091,90.986 -21.771,90.986 cw(c-21.771,89.154) -19.939,89.154 -19.939,88 -19.95,88 CON301.B5@-19.95,88.138
NetD201_1: D201.1 S201.1 | length 42.6
  Component Side w0.254: D201.1@-34.544,91.779 -34.506,91.817 cw(c-32.71,90.021) -32.71,92.561 -27.843,92.561 cw(c-27.843,90.902) -26.67,92.075 ccw(c-26.233,92.512) -26.233,91.894 -19.49,91.894 cw(c-19.49,88.9) -17.612,91.231 ccw(c-17.453,91.43) -17.454,91.176 -9.932,91.176 cw(c-9.932,88.636) -8.136,90.432 -7.856,90.152 ccw(c-6.06,91.948) -6.06,89.408 -5.146,89.408 cw(c-5.146,87.122) -2.86,87.122 S201.1@-2.86,80.335
  Bottom Layer w0.6: S201.1@-1,79.446 S201.1@-1,80.335 S201.1@-1,81.224
NetD202_1: D202.1 S202.1 | length 12.1
  Component Side w0.254: S202.1@-32.01,82.875 ccw(c-32.01,84.151) -30.734,84.151 -30.734,87.508 -30.734,90.509 ccw(c-32.004,90.509) D202.1@-32.004,91.779
  Bottom Layer w0.6: S202.1@-37.62,81.986 S202.1@-37.62,82.875 S202.1@-37.62,83.764
NetD203_1: D203.1 S203.1 | length 6.4
  Component Side w0.203: D203.1@-55.499,85.05 ccw(c-55.738,85.289) -55.4,85.289 S203.1@-55.4,89.606
  Bottom Layer w0.6: S203.1@-55.4,89.606 S203.1@-55.4,90.495 S203.1@-55.4,91.384
NetD204_1: D204.1 S204.1 | length 4.8
  Component Side w0.254: S204.1@-58.74,87.955 cw(c-60.126,86.569) -58.166,86.569 D204.1@-58.166,85.05
  Bottom Layer w0.6: S204.1@-56.88,87.066 S204.1@-56.88,87.955 S204.1@-56.88,88.844
NetD205_1: D205.1 S205.1 | length 6.8
  Component Side w0.254: D205.1@-94.996,85.05 -94.244,85.802 ccw(c-96.04,87.598) -93.5,87.598 S205.1@-93.5,89.606
  Bottom Layer w0.6: S205.1@-93.5,89.606 S205.1@-93.5,90.495 S205.1@-93.5,91.384
NetD206_1: D206.1 S206.1 | length 6.8
  Component Side w0.254: D206.1@-113.919,85.05 -113.294,85.675 ccw(c-115.09,87.471) -112.55,87.471 S206.1@-112.55,89.606
  Bottom Layer w0.6: S206.1@-112.55,89.606 S206.1@-112.55,90.495 S206.1@-112.55,91.384
NetD207_1: D207.1 S207.1 | length 6.8
  Component Side w0.254: D207.1@-132.969,85.05 -132.344,85.675 ccw(c-134.14,87.471) -131.6,87.471 S207.1@-131.6,89.606
  Bottom Layer w0.6: S207.1@-131.6,89.606 S207.1@-131.6,90.495 S207.1@-131.6,91.384
NetD208_1: D208.1 S208.1 | length 6.8
  Component Side w0.254: D208.1@-152.019,85.05 -151.394,85.675 ccw(c-153.19,87.471) -150.65,87.471 S208.1@-150.65,89.606
  Bottom Layer w0.6: S208.1@-150.65,89.606 S208.1@-150.65,90.495 S208.1@-150.65,91.384
NetD209_1: D209.1 S209.1 | length 6.8
  Component Side w0.254: D209.1@-171.069,85.05 -170.444,85.675 ccw(c-172.24,87.471) -169.7,87.471 S209.1@-169.7,89.606
  Bottom Layer w0.6: S209.1@-169.7,89.606 S209.1@-169.7,90.495 S209.1@-169.7,91.384
NetD210_1: D210.1 S210.1 | length 6.4
  Component Side w0.254: S210.1@-188.75,89.606 -188.75,85.205 ccw(c-188.595,85.205) D210.1@-188.595,85.05
  Bottom Layer w0.6: S210.1@-188.75,89.606 S210.1@-188.75,90.495 S210.1@-188.75,91.384
NetD211_1: D211.1 S211.1 | length 4.5
  Component Side w0.254: D211.1@-191.516,85.05 ccw(c-191.516,86.336) -190.23,86.336 S211.1@-190.23,87.066
  Bottom Layer w0.6: S211.1@-190.23,87.066 S211.1@-190.23,87.955 S211.1@-190.23,88.844
NetD212_1: D212.1 S212.1 | length 7.1
  Component Side w0.254: D212.1@-228.219,85.05 ccw(c-228.219,86.419) -226.85,86.419 S212.1@-226.85,89.606
  Bottom Layer w0.6: S212.1@-226.85,89.606 S212.1@-226.85,90.495 S212.1@-226.85,91.384
NetD213_1: D213.1 S213.1 | length 3.8
  Component Side w0.254: D213.1@-245.9,87.602 S213.1@-245.9,89.606
  Bottom Layer w0.6: S213.1@-245.9,89.606 S213.1@-245.9,90.495 S213.1@-245.9,91.384
NetD214_1: D214.1 S214.2 | length 20.1
  Component Side w0.254: S214.2@-266.22,81.986 S214.2@-263.525,81.986 ; S214.2@-264.668,82.131 cw(c-263.616,82.131) S214.2@-264.36,82.875 ; S214.2@-260.61,82.875 ccw(c-260.132,83.353) -260.132,82.677 -255.72,82.677 cw(c-254.26,80.335) -253.971,83.08 -253.895,83.08 -253.884,83.069 cw(c-254.26,80.335) -252.712,82.62 -251.587,82.62 ccw(c-251.587,84.017) -250.19,84.017 -250.19,85.709 cw(c-248.412,85.709) D214.1@-248.412,87.487
  Bottom Layer w0.6: S214.2@-266.22,81.986 S214.2@-266.22,82.62
NetD215_1: D215.1 S215.1 | length 8.9
  Component Side w0.254: D215.1@-25.654,76.889 -24.602,76.889 cw(c-24.602,74.349) -22.062,74.349 S215.1@-22.062,72.334 ; S215.1@-20.258,71.501 S215.1@-20.202,71.445
  Bottom Layer w0.6: S215.1@-22.062,70.556 S215.1@-22.062,71.445 S215.1@-22.062,72.334
NetD216_1: D216.1 S216.1 | length 10.3
  Component Side w0.254: S216.1@-30.226,68.844 S216.1@-30.165,68.905 ; D216.1@-28.194,76.889 cw(c-28.194,75.746) -27.051,75.746 v1(-27.051,74.033)
  Bottom Layer w0.254: S216.1@-28.305,69.794 -28.305,72.779 cw(c-27.051,72.779) v1(-27.051,74.033)
  Bottom Layer w0.6: S216.1@-28.305,68.016 S216.1@-28.305,68.905 S216.1@-28.305,69.794
NetD217_1: D217.1 S217.1 | length 3.4
  Component Side w0.254: S217.1@-64.925,70.556 cw(c-64.925,70.528) -64.897,70.528 D217.1@-64.897,68.945
  Bottom Layer w0.6: S217.1@-64.925,70.556 S217.1@-64.925,71.445 S217.1@-64.925,72.334
NetD218_1: D218.1 S218.1 | length 8
  Component Side w0.254: D218.1@-86.741,66 -86.515,66 ccw(c-86.515,68.54) -83.975,68.54 S218.1@-83.975,70.556
  Bottom Layer w0.6: S218.1@-83.975,70.556 S218.1@-83.975,71.445 S218.1@-83.975,72.334
NetD219_1: D219.1 S219.1 | length 7.8
  Component Side w0.254: S219.1@-103.025,70.556 cw(c-103.025,70.401) -102.87,70.401 -102.87,68.688 D219.1@-102.87,66 ; S219.1@-102.126,70.484 S219.1@-101.165,71.445
  Bottom Layer w0.6: S219.1@-103.025,70.556 S219.1@-103.025,71.445 S219.1@-103.025,72.334
NetD220_1: D220.1 S220.1 | length 5.1
  Component Side w0.254: S220.1@-106.365,68.905 cw(c-106.365,68.712) -106.172,68.712 -106.172,68.072 cw(c-106.172,67.564) -105.664,67.564 D220.1@-105.664,66
  Bottom Layer w0.6: S220.1@-104.505,68.016 S220.1@-104.505,68.905 S220.1@-104.505,69.794
NetD221_1: D221.1 S221.1 | length 7.9
  Component Side w0.254: S221.1@-141.125,70.556 -141.125,66.068 ccw(c-141.029,66.068) D221.1@-141.097,66 ; S221.1@-140.353,70.357 S221.1@-139.265,71.445
  Bottom Layer w0.6: S221.1@-141.125,70.556 S221.1@-141.125,71.445 S221.1@-141.125,72.334
NetD222_1: D222.1 S222.1 | length 4.9
  Component Side w0.254: S222.1@-144.465,68.905 cw(c-146.157,67.213) -143.764,67.213 D222.1@-143.764,66
  Bottom Layer w0.6: S222.1@-142.605,68.016 S222.1@-142.605,68.905 S222.1@-142.605,69.794
NetD223_1: D223.1 S223.1 | length 6.8
  Component Side w0.254: D223.1@-180.594,66 -179.969,66.625 ccw(c-181.765,68.421) -179.225,68.421 S223.1@-179.225,70.556
  Bottom Layer w0.6: S223.1@-179.225,70.556 S223.1@-179.225,71.445 S223.1@-179.225,72.334
NetD224_1: D224.1 S224.1 | length 6.8
  Component Side w0.254: D224.1@-199.644,66 -199.019,66.625 ccw(c-200.815,68.421) -198.275,68.421 S224.1@-198.275,70.556
  Bottom Layer w0.6: S224.1@-198.275,70.556 S224.1@-198.275,71.445 S224.1@-198.275,72.334
NetD225_1: D225.1 S225.1 | length 6.8
  Component Side w0.254: D225.1@-218.694,66 -218.069,66.625 ccw(c-219.865,68.421) -217.325,68.421 S225.1@-217.325,70.556
  Bottom Layer w0.6: S225.1@-217.325,70.556 S225.1@-217.325,71.445 S225.1@-217.325,72.334
NetD226_1: D226.1 S226.1 | length 8
  Component Side w0.254: S226.1@-236.375,70.556 ccw(c-235.699,69.88) -236.655,69.88 -236.655,67.687 ccw(c-234.303,67.687) D226.1@-236.068,66.133 ; D226.1@-236.271,66.354 -236.271,66.352 D226.1@-236.068,66.133 ; S226.1@-235.222,70.738 S226.1@-234.515,71.445 ; D226.1@-236.068,66.133 ccw(c-234.303,67.687) D226.1@-235.988,66.046 ; D226.1@-236.068,66.133 D226.1@-235.988,66.046 ; D226.1@-235.988,66.046 ccw(c-234.303,67.687) D226.1@-235.984,66.042 ; D226.1@-235.988,66.046 D226.1@-235.984,66.042 ; D226.1@-235.984,66.042 ccw(c-234.303,67.687) D226.1@-235.966,66.024 D226.1@-235.984,66.042
  Bottom Layer w0.6: S226.1@-236.375,70.556 S226.1@-236.375,71.445 S226.1@-236.375,72.334
NetD227_1: D227.1 S227.1 | length 4.8
  Component Side w0.254: S227.1@-239.715,68.905 cw(c-241.407,67.213) -239.014,67.213 D227.1@-239.014,66.024
  Bottom Layer w0.6: S227.1@-237.855,68.016 S227.1@-237.855,68.905 S227.1@-237.855,69.794
NetD229_1: D229.1 S229.1 S229_1.2 | length 41.8
  Component Side w0.254: D229.1@-50.546,46.95 cw(c-50.546,44.707) -48.961,46.294 ; -48.96,46.293 -47.988,45.321 ccw(c-46.192,47.117) -46.192,44.577 v1(-29.337,44.577)
  Bottom Layer w0.203: S229_1.2@-25.714,45.664 -25.714,50.744 cw(c-23.174,50.744) -23.174,53.284 S229.1@-19.681,53.284
  Bottom Layer w0.254: v1(-29.337,44.577) -25.912,44.577 ccw(c-25.912,44.775) S229_1.2@-25.714,44.775
  Bottom Layer w0.6: S229_1.2@-25.714,43.886 S229_1.2@-25.714,44.775 S229_1.2@-25.714,45.664 ; S229.1@-19.681,51.506 S229.1@-19.681,52.395 S229.1@-19.681,53.284
NetD230_1: D230.1 S230.1 | length 24.3
  Component Side w0.254: D230.1@-53.594,46.95 cw(c-52.538,46.95) -52.538,48.006 -50.201,48.006 ccw(c-50.201,50.546) -48.405,48.75 -47.861,49.294 cw(c-46.065,47.498) -46.065,50.038 -44.105,50.038 ccw(c-44.105,52.578) -42.309,50.782 -41.003,52.088 cw(c-39.207,50.292) -39.207,52.832 -37.904,52.832 cw(c-37.904,49.855) -35.147,50.978 S230.1@-34.927,49.855
  Bottom Layer w0.6: S230.1@-33.067,48.966 S230.1@-33.067,49.855 S230.1@-33.067,50.744
NetD231_1: D231.1 S231.1 | length 6.8
  Component Side w0.254: D231.1@-71.12,46.95 -70.431,47.639 ccw(c-72.227,49.435) -69.687,49.435 S231.1@-69.687,51.506
  Bottom Layer w0.6: S231.1@-69.687,51.506 S231.1@-69.687,52.395 S231.1@-69.687,53.284
NetD232_1: D232.1 S232.1 | length 6.8
  Component Side w0.254: D232.1@-90.17,46.95 -89.481,47.639 ccw(c-91.277,49.435) -88.737,49.435 S232.1@-88.737,51.506
  Bottom Layer w0.6: S232.1@-88.737,51.506 S232.1@-88.737,52.395 S232.1@-88.737,53.284
NetD233_1: D233.1 S233.1 | length 6.4
  Component Side w0.254: S233.1@-107.787,51.506 cw(c-108.007,51.286) -107.696,51.286 D233.1@-107.696,46.95
  Bottom Layer w0.6: S233.1@-107.787,51.506 S233.1@-107.787,52.395 S233.1@-107.787,53.284
NetD234_1: D234.1 S234.1 | length 4.8
  Component Side w0.254: S234.1@-111.127,49.855 cw(c-112.053,48.929) -110.744,48.929 D234.1@-110.744,46.95
  Bottom Layer w0.6: S234.1@-109.267,48.966 S234.1@-109.267,49.855 S234.1@-109.267,50.744
NetD235_1: D235.1 S235.1 | length 24.3
  Component Side w0.254: D235.1@-165.1,46.95 -163.01,49.04 cw(c-161.214,47.244) -161.214,49.784 -158.659,49.784 ccw(c-158.659,52.324) -156.863,50.528 -155.74,51.651 cw(c-153.944,49.855) -153.944,52.395 S235.1@-144.481,52.395
  Bottom Layer w0.6: S235.1@-145.887,51.506 S235.1@-145.887,52.395 S235.1@-145.887,53.284
NetD236_1: D236.1 S236.1 | length 7.7
  Component Side w0.254: D236.1@-167.513,46.95 -167.03,47.278 -167.156,47.278 cw(c-166.92,47.184) -167.1,47.363 -166.19,48.273 cw(c-166.011,48.093) -166.11,48.327 ccw(c-166.354,48.918) -165.764,48.673 cw(c-165.53,48.574) -165.71,48.753 -165.681,48.782 ccw(c-167.477,50.578) -164.937,50.578 S236.1@-164.937,51.506 ; S236.1@-163.195,52.395 S236.1@-163.077,52.395
  Bottom Layer w0.6: S236.1@-164.937,51.506 S236.1@-164.937,52.395 S236.1@-164.937,53.284
NetD237_1: D237.1 S237.1 | length 7.4
  Component Side w0.254: D237.1@-185.293,46.95 -184.731,47.512 ccw(c-186.527,49.308) -183.987,49.308 S237.1@-183.987,51.506 ; S237.1@-182.753,52.395 S237.1@-182.127,52.395
  Bottom Layer w0.6: S237.1@-183.987,51.506 S237.1@-183.987,52.395 S237.1@-183.987,53.284
NetD238_1: D238.1 S238.1 | length 7.6
  Component Side w0.254: D238.1@-204.47,46.95 -203.781,47.639 ccw(c-205.577,49.435) -203.037,49.435 S238.1@-203.037,51.506 ; S238.1@-201.93,52.395 S238.1@-201.177,52.395
  Bottom Layer w0.6: S238.1@-203.037,51.506 S238.1@-203.037,52.395 S238.1@-203.037,53.284
NetD239_1: D239.1 S239.1 | length 7.4
  Component Side w0.254: D239.1@-223.393,46.95 -222.831,47.512 ccw(c-224.627,49.308) -222.087,49.308 S239.1@-222.087,51.506 ; S239.1@-220.853,52.395 S239.1@-220.227,52.395
  Bottom Layer w0.6: S239.1@-222.087,51.506 S239.1@-222.087,52.395 S239.1@-222.087,53.284
NetD240_1: D240.1 S240.1 | length 7.7
  Component Side w0.254: S240.1@-241.137,51.506 cw(c-241.663,50.98) -240.919,50.98 D240.1@-240.919,46.95 ; S240.1@-240.175,51.497 S240.1@-239.277,52.395
  Bottom Layer w0.6: S240.1@-241.137,51.506 S240.1@-241.137,52.395 S240.1@-241.137,53.284
NetD241_1: D241.1 S242.2 | length 15
  Component Side w0.254: S242.2@-254.53,50.744 -246.126,50.744 cw(c-246.126,48.204) -243.586,48.204 D241.1@-243.586,46.863
  Bottom Layer w0.6: S242.2@-254.53,49.465 S242.2@-254.53,50.11 S242.2@-254.53,50.744
NetD242_1: D242.1 S228.1 | length 6.3
  Component Side w0.254: D242.1@-279.237,66.024 S228.1@-279.237,70.556
  Bottom Layer w0.6: S228.1@-279.237,70.556 S228.1@-279.237,71.445 S228.1@-279.237,72.334